# Altium PCB SDR_CAMERA.PcbDoc (part 1 of 3) (continued)
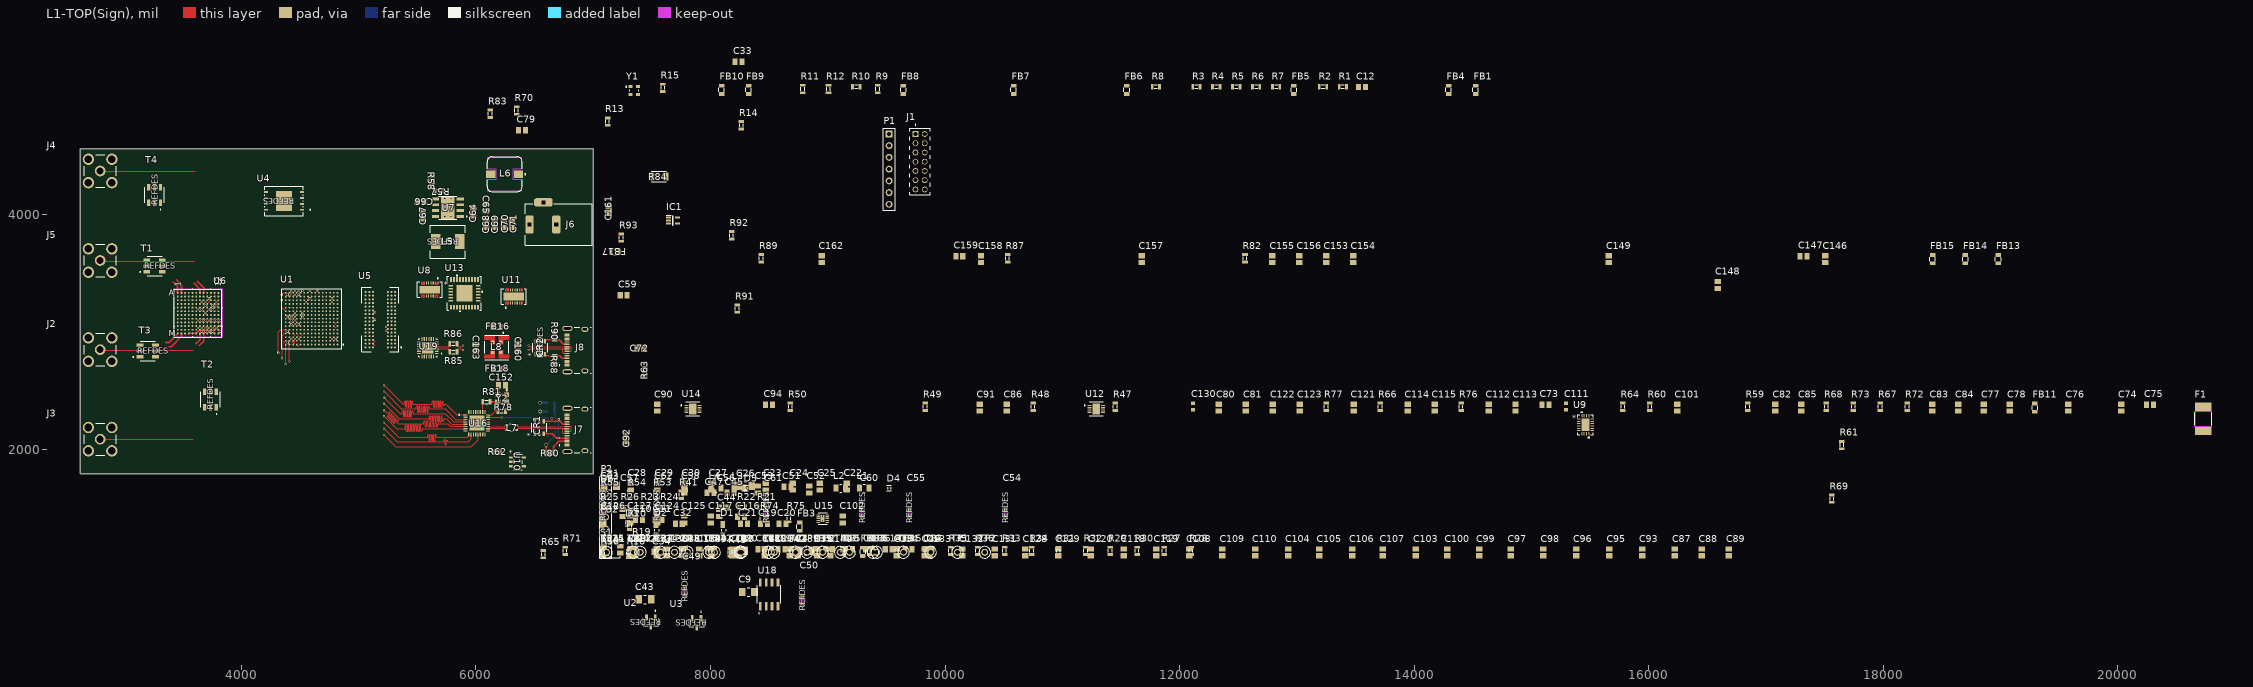
[diagram p0: L1-TOP(Sign) view]
## Classes and differential pairs
net class DDR_DQ[15..0]: DDR_DQ0 DDR_DQ1 DDR_DQ2 DDR_DQ3 DDR_DQ4 DDR_DQ5 DDR_DQ6 DDR_DQ7 DDR_DQ8 DDR_DQ9 DDR_DQ10 DDR_DQ11 DDR_DQ12 DDR_DQ13 DDR_DQ14 DDR_DQ15
net class DDR_A[14..0]: DDR_A0 DDR_A1 DDR_A2 DDR_A3 DDR_A4 DDR_A5 DDR_A6 DDR_A7 DDR_A8 DDR_A9 DDR_A10 DDR_A11 DDR_A12 DDR_A13 DDR_A14
component class ZYNQ: C1 C2 C3 C4 C5 C6 C7 C8 C9 C10 C11 C12 C13 C14 C15 C16 C17 C18 C19 C20 C21 C22 C23 C24 C25 C26 C27 C28 C29 C30 C31 C32 C33 C34 C35 C36 C37 C38 C39 C40 C41 C42 C43 D1 D2 FB1 FB2 FB3 FB4 FB5 FB6 FB7 FB8 FB9 FB10 J1 P1 P2 R1 R2 R3 R4 R5 R6 R7 R8 R9 R10 R11 R12 R13 R14 R15 R16 R17 R18 R19 R20 S1 TP1 TP2 TP3 TP4 TP5 TP6 TP7 TP8 TP9 TP10 TP11 TP12 TP13 TP14 TP15 U1 U2 U3 Y1
component class USB: C143 C144 C145 C146 C147 C148 C149 C150 C151 C152 C153 C154 C155 C156 C157 C158 C159 C160 C161 C162 C163 CR1 CR2 FB13 FB14 FB15 FB16 FB17 FB18 IC1 J7 J8 L7 L8 R78 R79 R80 R81 R82 R83 R84 R85 R86 R87 R88 R89 R90 R91 R92 R93 U16 U17 U18 U19 Y2
component class RF: C49 C50 C51 C52 C53 C54 C55 C56 C57 C58 C59 C60 C61 C62 C63 D3 D4 D5 D6 J2 J3 J4 J5 L1 L2 L3 L4 R56 T1 T2 T3 T4 TP16 TP17 TP18 TP19 TP20 TP21 TP22 TP23 TP24 U6
component class POWER: C64 C65 C66 C67 C68 C69 C70 C71 C72 C73 C74 C75 C76 C77 C78 C79 C80 C81 C82 C83 C84 C85 C86 C87 C88 C89 C90 C91 C92 C93 C94 C95 C96 C97 C98 C99 C100 C101 C102 C103 C104 C105 C106 C107 C108 C109 C110 C111 C112 C113 C114 C115 C116 C117 C118 C119 C120 C121 C122 C123 C124 C125 C126 C127 C128 C129 C130 C131 C132 C133 C134 C135 C136 C137 C138 C139 C140 C141 C142 F1 FB11 FB12 J6 L5 L6 R57 R58 R59 R60 R61 R62 R63 R64 R65 R66 R67 R68 R69 R70 R71 R72 R73 R74 R75 R76 R77 U7 U8 U9 U10 U11 U12 U13 U14 U15
component class DDR3: C44 C45 C46 C47 C48 R21 R22 R23 R24 R25 R26 R27 R28 R29 R30 R31 R32 R33 R34 R35 R36 R37 R38 R39 R40 R41 R42 R43 R44 R45 R46 R47 R48 R49 R50 R51 R52 R53 R54 R55 U4 U5
differential pair DDR_DQS1: +DDR_DQS1_P -DDR_DQS1_N
differential pair DDR_DQS0: +DDR_DQS0_P -DDR_DQS0_N
differential pair DDR_CLK: +DDR_CLK_P -DDR_CLK_N
differential pair D_UART: +D_UART_P -D_UART_N
differential pair USB_OTG: +USB_OTG_P -USB_OTG_N
differential pair USB_UART: +USB_UART_P -USB_UART_N
differential pair USB_OTG_90_OHM: +USB_OTG_90_OHM_P -USB_OTG_90_OHM_N

## Components (designator, comment, footprint, x,y, rotation, side; value= is the part's Value field where it differs from the comment)
C1 "Cap Pol3" C0805 9350,1150 r0 top value=47uF
C2 "Cap Pol3" C0805 9010,1150 r0 top value=4.7uF
C3 "Cap Pol3" C0805 9180,1150 r0 top value=0.47uF
C4 "C3216X5R1A107M160AC" CAPC3216X190N 8810,1135 r0 top
C5 "Cap Pol3" C0805 8005,1150 r0 top value=47uF
C6 "Cap Pol3" C0805 7320,1125 r90 top value=4.7uF
C7 "Cap Pol3" C0805 7540,1125 r90 top value=0.47uF
C8 "Cap Pol3" C0805 7760,1125 r90 top value=0.47uF
C9 "C3216X5R1A107M160AC" CAPC3216X190N 8322.83,783.46 r0 top
C10 "Cap Pol3" C0805 7390,1400 r0 top value=100nF
C11 "Cap Pol3" C0805 7555,1400 r0 top value=0.47uF
C12 "Cap Pol3" C0805 13555,5090 r0 top value=1uF
C13 "Cap Pol3" C0805 9860,1150 r0 top value=47uF
C14 "Cap Pol3" C0805 9520,1150 r0 top value=4.7uF
C15 "Cap Pol3" C0805 9690,1150 r0 top value=0.47uF
C16 "Cap Pol3" C0805 8435,1150 r0 top value=47uF
C17 "Cap Pol3" C0805 8605,1150 r0 top value=0.47uF
C18 "C3216X5R1A107M160AC" CAPC3216X190N 8240,1135 r0 top
C19 "Cap Pol3" C0805 8455,1365 r0 top value=47uF
C20 "Cap Pol3" C0805 8615,1365 r0 top value=0.47uF
C21 "Cap Pol3" C0805 8285,1365 r0 top value=4.7uF
C22 "Cap Pol3" C0805 9161.4,1681.1 r90 top value=10nF
C23 "Cap Pol3" C0805 8472.42,1681.1 r90 top value=4.7uF
C24 "Cap Pol3" C0805 8700.77,1681.1 r90 top value=0.47uF
C25 "Cap Pol3" C0805 8933.05,1681.1 r90 top value=100nF
C26 "C3216X5R1A107M160AC" CAPC3216X190N 8299.2,1688.97 r0 top
C27 "Cap Pol3" C0805 8007.86,1681.1 r90 top value=10nF
C28 "Cap Pol3" C0805 7318.88,1681.1 r90 top value=4.7uF
C29 "Cap Pol3" C0805 7547.23,1681.1 r90 top value=0.47uF
C30 "Cap Pol3" C0805 7779.51,1681.1 r90 top value=100nF
C31 "C3216X5R1A107M160AC" CAPC3216X190N 7145.65,1688.97 r0 top
C32 "Cap Pol3" C0805 7730,1365 r0 top value=47uF
C33 "Cap Pol3" C0805 8240.16,5307.09 r0 top value=100nF
C34 "Cap Pol3" C0805 7550,1125 r0 top value=100nF
C35 "Cap Pol3" C0805 8909.43,1122.05 r90 top value=47uF
C36 "Cap Pol3" C0805 7318.88,1122.05 r90 top value=4.7uF
C37 "Cap Pol3" C0805 7547.23,1122.05 r90 top value=0.47uF
C38 "Cap Pol3" C0805 7779.51,1122.05 r90 top value=0.47uF
C39 "Cap Pol3" C0805 8007.86,1122.05 r90 top value=0.47uF
C40 "Cap Pol3" C0805 8240.14,1122.05 r90 top value=0.47uF
C41 "Cap Pol3" C0805 8492.11,1145.67 r0 top value=100nF
C42 "Cap Pol3" C0805 8677.15,1122.05 r90 top value=10nF
C43 "C3216X5R1A107M160AC" CAPC3216X190N 7440.94,720.47 r0 top
C44 "Cap Pol3" C0805 8106.28,1500 r0 top value=100nF
C45 "Cap Pol3" C0805 8170,1630 r0 top value=10nF
C46 "Cap Pol3" C0805 9826.75,1122.05 r90 top value=10nF
C47 "Cap Pol3" C0805 8000,1630 r0 top value=10nF
C48 "Cap Pol3" C0805 7314.95,1122.05 r90 top value=4.7uF
C49 "C0603H180J5GACTU" CAPC17595_87N_KEM 7779.53,787.4 r90 top
C50 "C0603H180J5GACTU" CAPC17595_87N_KEM 8783.46,712.6 r90 top
C51 "Cap Pol3" C0805 8657.46,1681.1 r0 top value=1nF
C52 "Cap Pol3" C0805 8842.5,1657.48 r90 top value=1nF
C53 "Cap Pol3" C0805 8401.56,1657.48 r90 top value=10uF
C54 "C0603H180J5GACTU" CAPC17595_87N_KEM 10515.73,1456.69 r90 top
C55 "C0603H180J5GACTU" CAPC17595_87N_KEM 9696.83,1456.69 r90 top
C56 "Cap Pol3" C0805 8074.79,1456.69 r90 top value=1nF
C57 "Cap Pol3" C0805 7251.95,1456.69 r90 top value=1nF
C58 "Cap Pol3" C0805 7775.57,1657.48 r90 top value=10uF
C59 "Cap Pol3" C0805 7259.84,3314.96 r0 top value=1nF
C60 "C0603H180J5GACTU" CAPC17595_87N_KEM 9295.26,1456.69 r90 top
C61 "C0603H180J5GACTU" CAPC17595_87N_KEM 8476.36,1456.69 r90 top
C62 "C0603H180J5GACTU" CAPC17595_87N_KEM 7543.29,1472.44 r90 top
C63 "C0603H180J5GACTU" CAPC17595_87N_KEM 7082.66,1472.44 r90 top
C64 "Pol3" C0805 5976.38,4019.68 r270 top value=220nF
C65 "Cap Pol3" C0805 6082.68,4062.99 r270 top value=10uF
C66 "Pol3" C0805 5527.56,4110.24 r180 top value=1uF
C67 "Pol3" C0805 5547.24,3996.06 r270 top value=1uF
C68 "Pol3" C0805 6086.61,3921.26 r90 top value=22uF
C69 "Pol3" C0805 6161.42,3921.26 r90 top value=22uF
C70 "Pol3" C0805 6236.22,3921.26 r90 top value=22uF
C71 "Pol3" C0805 6307.09,3921.26 r90 top value=22uF
C72 "Cap Pol3" C0805 7401.57,2858.27 r0 top value=10uF
C73 "Cap Pol3" C0805 15120,2380 r0 top value=1nF
C74 "Cap Pol3" C0805 20030,2355 r90 top value=2.2uF
C75 "Cap Pol3" C0805 20275,2380 r0 top value=100nF
C76 "Cap Pol3" C0805 19580,2355 r90 top value=2.2uF
C77 "Cap Pol3" C0805 18860,2355 r90 top value=47uF
C78 "Cap Pol3" C0805 19080,2355 r90 top value=100nF
C79 "Cap Pol3" C0805 6393.7,4720.47 r0 top value=10uF
C80 "Cap Pol3" C0805 12335,2355 r90 top value=47uF
C81 "Cap Pol3" C0805 12565,2355 r90 top value=47uF
C82 "Cap Pol3" C0805 17080,2355 r90 top value=2.2uF
C83 "Cap Pol3" C0805 18420,2355 r90 top value=47uF
C84 "Cap Pol3" C0805 18640,2355 r90 top value=47uF
C85 "Cap Pol3" C0805 17300,2355 r90 top value=2.2uF
C86 "Pol3" C0805 10525,2355 r90 top value=4.7uF
C87 "Cap Pol3" C0805 16224.38,1122.05 r90 top value=10uF
C88 "Cap Pol3" C0805 16452.72,1122.05 r90 top value=10uF
C89 "Cap Pol3" C0805 16685.01,1122.05 r90 top value=100nF
C90 "Cap Pol3" C0805 7545,2355 r90 top value=100nF
C91 "Pol3" C0805 10295,2355 r90 top value=4.7uF
C92 "Cap Pol3" C0805 7279.53,2092.52 r90 top value=1uF
C93 "Cap Pol3" C0805 15944.85,1122.05 r90 top value=10nF
C94 "Pol3" C0805 8500,2380 r0 top value=1nF
C95 "Cap Pol3" C0805 15665.32,1122.05 r90 top value=10nF
C96 "Cap Pol3" C0805 15381.86,1122.05 r90 top value=1uF
C97 "Cap Pol3" C0805 14822.81,1122.05 r90 top value=1uF
C98 "Cap Pol3" C0805 15102.33,1122.05 r90 top value=10nF
C99 "Cap Pol3" C0805 14555.09,1122.05 r90 top value=10nF
C100 "Cap Pol3" C0805 14283.44,1122.05 r90 top value=1uF
C101 "Pol3" C0805 16245,2355 r90 top value=22uF
C102 "Cap Pol3" C0805 9125.97,1401.57 r90 top value=10nF
C103 "Pol3" C0805 14015.72,1122.05 r90 top value=4.7uF
C104 "Cap Pol3" C0805 12925.17,1122.05 r90 top value=10uF
C105 "Cap Pol3" C0805 13192.89,1122.05 r90 top value=10uF
C106 "Cap Pol3" C0805 13472.41,1122.05 r90 top value=100nF
C107 "Cap Pol3" C0805 13732.26,1122.05 r90 top value=100nF
C108 "Pol3" C0805 12082.65,1122.05 r90 top value=4.7uF
C109 "Cap Pol3" C0805 12366.12,1122.05 r90 top value=1uF
C110 "Cap Pol3" C0805 12645.64,1122.05 r90 top value=10nF
C111 "" 1608[0603] 15295,2365 r90 top value=1uF
C112 "Pol3" C0805 14635,2355 r90 top value=22uF
C113 "Pol3" C0805 14865,2355 r90 top value=22uF
C114 "Pol3" C0805 13945,2355 r90 top value=22uF
C115 "Pol3" C0805 14175,2355 r90 top value=22uF
C116 "Pol3" C0805 8259.83,1425.19 r0 top value=10uF
C117 "Cap Pol3" C0805 8003.92,1401.57 r90 top value=10nF
C118 "Pol3" C0805 11523.6,1122.05 r90 top value=1nF
C119 "Cap Pol3" C0805 11803.13,1122.05 r90 top value=10nF
C120 "Cap Pol3" C0805 11244.07,1122.05 r90 top value=1uF
C121 "Pol3" C0805 13485,2355 r90 top value=22uF
C122 "Pol3" C0805 12795,2355 r90 top value=22uF
C123 "Pol3" C0805 13025,2355 r90 top value=22uF
C124 "Pol3" C0805 7547.23,1401.57 r90 top value=10uF
C125 "Pol3" C0805 7775.57,1401.57 r90 top value=10uF
C126 "Cap Pol3" C0805 7086.6,1401.57 r90 top value=1uF
C127 "Cap Pol3" C0805 7314.95,1401.57 r90 top value=220nF
C128 "Cap Pol3" C0805 10685.02,1122.05 r90 top value=1uF
C129 "Cap Pol3" C0805 10964.55,1122.05 r90 top value=10nF
C130 "" 1608[0603] 12115,2365 r90 top value=10nF
C131 "Cap Pol3" C0805 10425.18,1122.05 r90 top value=10nF
C132 "Cap Pol3" C0805 10145.65,1122.05 r90 top value=1uF
C133 "Cap Pol3" C0805 9866.12,1122.05 r90 top value=10nF
C134 "Cap Pol3" C0805 9586.59,1122.05 r90 top value=1uF
C135 "Cap Pol3" C0805 7625.97,1122.05 r90 top value=10uF
C136 "Cap Pol3" C0805 7905.5,1122.05 r90 top value=100nF
C137 "Cap Pol3" C0805 8185.02,1122.05 r90 top value=10uF
C138 "Cap Pol3" C0805 8464.55,1122.05 r90 top value=100nF
C139 "Cap Pol3" C0805 8744.08,1122.05 r90 top value=1uF
C140 "Cap Pol3" C0805 9023.6,1122.05 r90 top value=10nF
C141 "Cap Pol3" C0805 7086.6,1122.05 r90 top value=10nF
C142 "Cap Pol3" C0805 7346.44,1122.05 r90 top value=1uF
C143 "Cap Pol3" C0805 5877.95,2283.46 r270 bottom value=1uF
C144 "Cap Pol3" C0805 6035.43,2283.46 r270 bottom value=1uF
C145 "Cap Pol3" C0805 5956.69,2283.46 r270 bottom value=1uF
C146 "Cap Pol3" C0805 17507.01,3621.22 r90 top value=100nF
C147 "Cap Pol3" C0805 17322.01,3646.22 r0 top value=2.2uF
C148 "Cap Pol3" C0805 16590.55,3401.57 r90 top value=100nF
C149 "Cap Pol3" C0805 15662.01,3621.22 r90 top value=100nF
C150 "Cap Pol3" C0805 6637.8,2397.64 r180 bottom value=47uF
C151 "Cap Pol3" C0805 6637.8,2322.83 r180 bottom value=100nF
C152 "Cap Pol3" C0805 6221.81,2547.5 r180 top value=100nF
C153 "Cap Pol3" C0805 13252.01,3621.22 r90 top value=4.7uF
C154 "Cap Pol3" C0805 13482.01,3621.22 r90 top value=100nF
C155 "Cap Pol3" C0805 12792.01,3621.22 r90 top value=100nF
C156 "Cap Pol3" C0805 13022.01,3621.22 r90 top value=4.7uF
C157 "Cap Pol3" C0805 11677.01,3621.22 r90 top value=10nF
C158 "Cap Pol3" C0805 10307.01,3621.22 r90 top value=47pf
C159 "Cap Pol3" C0805 10122.01,3646.22 r0 top value=47pf
C160 "Cap Pol3" C0805 6358.27,2868.11 r270 top value=100nF
C161 "Cap Pol3" C0805 7133.86,4039.37 r90 top value=100nF
C162 "Cap Pol3" C0805 8947.01,3621.22 r90 top value=100nF
C163 "Cap Pol3" C0805 6000,2866.14 r270 top value=100nF
CR1 "SRV05-4HTG-D" SOIC6_SOT23-6_CRA_LTF 6539.37,2185.04 r90 top
CR2 "SRV05-4HTG-D" SOIC6_SOT23-6_CRA_LTF 6547.24,2866.14 r90 top
D1 "LTST-S220TBKT" LED_LTST-S220TBKT 8105,1310 r90 top
D2 "LTST-S220TBKT" LED_LTST-S220TBKT 7535,1310 r90 top
D3 "ESD112B102ELE6327XTMA1" DIODFN100X60X43-2N 7291.32,1370.08 r0 top
D4 "ESD112B102ELE6327XTMA1" DIODFN100X60X43-2N 9523.6,1669.29 r0 top
D5 "ESD112B102ELE6327XTMA1" DIODFN100X60X43-2N 8303.13,1669.29 r0 top
D6 "ESD112B102ELE6327XTMA1" DIODFN100X60X43-2N 7078.73,1669.29 r0 top
F1 "0ZCG0260BF2B" 0ZCG_BEL 20730,2260 r90 top
FB1 "FERRITA" 0805R 14525,5030 r90 top
FB2 "FERRITA" 0805R 7080,1340 r90 top
FB3 "FERRITA" 0805R 8760,1305 r90 top
FB4 "FERRITA" 0805R 14295,5030 r90 top
FB5 "FERRITA" 0805R 12975,5030 r90 top
FB6 "FERRITA" 0805R 11550,5030 r90 top
FB7 "FERRITA" 0805R 10585,5030 r90 top
FB8 "FERRITA" 0805R 9645,5030 r90 top
FB9 "FERRITA" 0805R 8325,5030 r90 top
FB10 "FERRITA" 0805R 8095,5030 r90 top
FB11 "FERRITA" 0805R 19295,2320 r90 top
FB12 "FERRITA" 0805R 9299.19,1090.55 r90 top
FB13 "FERRITA" 0805R 18982.01,3586.22 r90 top
FB14 "FERRITA" 0805R 18702.01,3586.22 r90 top
FB15 "FERRITA" 0805R 18422.01,3586.22 r90 top
FB16 "FERRITA" 0805R 6141.73,3047.24 r0 top
FB17 "FERRITA" 0805R 7220.47,3685.04 r180 top
FB18 "FERRITA" 0805R 6145.67,2688.98 r0 top
IC1 "74LVC1G126GW,125" SOT65P212X110-5N 7680.35,3951.61 r0 top
J1 "MTMM-107-03-G-D-190" SAMTEC_MTMM-107-03-G-D-190 9787.4,4452.76 r270 top
J2 "RFPC-SMA27-F" GRADCONN_RFPC-SMA27-F 2795.28,2850.39 r270 top
J3 "RFPC-SMA27-F" GRADCONN_RFPC-SMA27-F 2795.28,2086.61 r270 top
J4 "RFPC-SMA27-F" GRADCONN_RFPC-SMA27-F 2795.28,4374.02 r270 top
J5 "RFPC-SMA27-F" GRADCONN_RFPC-SMA27-F 2795.28,3610.24 r270 top
J6 "694108301002" 694108301002 6706.69,3917.32 r90 top
J7 "UJ20-C-H-G-SMT-P16-TR-67" SAMESKY_UJ20-C-H-G-SMT-P16-TR-67 6903.54,2165.35 r90 top
J8 "UJ20-C-H-G-SMT-P16-TR-67" SAMESKY_UJ20-C-H-G-SMT-P16-TR-67 6903.54,2846.46 r90 top
L1 "B82498F3331J001" IND_B82498F3331J001 9311,1669.29 r0 top
L2 "B82498F3331J001" IND_B82498F3331J001 9110.22,1669.29 r0 top
L3 "B82498F3331J001" IND_B82498F3331J001 8244.08,1669.29 r0 top
L4 "B82498F3331J001" IND_B82498F3331J001 8047.23,1669.29 r0 top
L5 "SRP7020TA-8R2M" IND_SRP7020TA-8R2M_BRN 5759.84,3771.65 r180 top
L6 "4.7uH, 2.9A" WE-PD_7332R 6244.09,4346.46 r270 top
L7 "DLW21HN900SQ2L" IND_DLW21H_0805_MUR 6303.15,2185.04 r180 top
L8 "DLW5BSM801TQ2L" FIL_DLW5BSM801TQ2L 6177.17,2870.08 r0 top
P1 "Header 7" HDR1X7 9523.62,4689.76 r270 top
P2 "Header 7" HDR1X7 7106.28,1122.05 r90 top
R1 "Res1" 0603 13350,5070 r0 top value="470R, 5%"
R2 "Res1" 0603 13180,5070 r0 top value="4k7, 5%"
R3 "Res1" 0603 12100,5070 r0 top value=10K
R4 "Res1" 0603 12270,5070 r0 top value=10K
R5 "Res1" 0603 12440,5070 r0 top value=10K
R6 "Res1" 0603 12610,5070 r0 top value=10K
R7 "Res1" 0603 12780,5070 r0 top value=10K
R8 "Res1" 0603 11755,5070 r0 top value="4k7, 5%"
R9 "Res1" 0603 9450,5030 r90 top value="4K7, 5%"
R10 "Res1" 0603 9200,5070 r0 top value=0R
R11 "Res1" 0603 8810,5030 r90 top value="20K, 5%"
R12 "Res1" 0603 9030,5030 r90 top value="4K7, 5%"
R13 "Res1" 0603 7145.67,4751.97 r90 top value="20K, 5%"
R14 "Res1" 0603 8287.4,4720.47 r90 top value="10K, 5%"
R15 "Res1" 0603 7618.11,5039.37 r90 top value=39R
R16 "Res1" 0603 7325,1065 r90 top value="20K, 5%"
R17 "Res1" 0603 7105,1065 r90 top value="20K, 5%"
R18 "Res1" 0603 7105,1365 r90 top value="20K, 5%"
R19 "Res1" 0603 7374,1145.67 r90 top value="20K, 5%"
R20 "Res1" 0603 7335,1305 r90 top value="470R, 5%"
R21 "Res1" 0603 8393.68,1484.25 r0 top value=240R
R22 "Res1" 0603 8224.39,1484.25 r0 top value="20k, 5%"
R23 "Res1" 0603 7397.62,1484.25 r0 top value="20k, 5%"
R24 "Res1" 0603 7566.91,1484.25 r0 top value="20k, 5%"
R25 "Res1" 0603 7055.1,1484.25 r0 top value="20k, 5%"
R26 "Res1" 0603 7228.33,1484.25 r0 top value="20k, 5%"
R27 "Res1" 0603 11893.68,1090.55 r90 top value=120R
R28 "Res1" 0603 12122.02,1090.55 r90 top value=120R
R29 "Res1" 0603 11433.05,1090.55 r90 top value=120R
R30 "Res1" 0603 11661.39,1090.55 r90 top value=120R
R31 "Res1" 0603 10992.1,1090.55 r90 top value=120R
R32 "Res1" 0603 11224.39,1090.55 r90 top value=120R
R33 "Res1" 0603 10531.48,1090.55 r90 top value=120R
R34 "Res1" 0603 10763.76,1090.55 r90 top value=120R
R35 "Res1" 0603 10070.85,1090.55 r90 top value=120R
R36 "Res1" 0603 10303.13,1090.55 r90 top value=120R
R37 "Res1" 0603 9381.87,1090.55 r90 top value=120R
R38 "Res1" 0603 9614.15,1090.55 r90 top value=120R
R39 "Res1" 0603 8921.24,1090.55 r90 top value=120R
R40 "Res1" 0603 9153.52,1090.55 r90 top value=120R
R41 "Res1" 0603 7775,1570 r90 top value=240R
R42 "Res1" 0603 8484.24,1090.55 r90 top value=120R
R43 "Res1" 0603 8712.58,1090.55 r90 top value=120R
R44 "Res1" 0603 8023.61,1090.55 r90 top value=120R
R45 "Res1" 0603 8192.91,1078.74 r90 top value=120R
R46 "Res1" 0603 7795.26,1090.55 r90 top value=120R
R47 "Res1" 0603 11475,2320 r90 top value=120R
R48 "Res1" 0603 10775,2320 r90 top value=120R
R49 "Res1" 0603 9855,2320 r90 top value=120R
R50 "Res1" 0603 8705,2320 r90 top value=120R
R51 "Res1" 0603 7562.98,1090.55 r90 top value=120R
R52 "Res1" 0603 7102.35,1090.55 r90 top value=80k6
R53 "Res1" 0603 7555,1570 r90 top value=1K
R54 "Res1" 0603 7335,1570 r90 top value=240R
R55 "Res1" 0603 7105,1570 r90 top value=240R
R56 "Res1" 0603 7105,1065 r90 top value=14k3
R57 "Res1" 0603 5728.35,4224.41 r180 top value=25k
R58 "Res1" 0603 5602.36,4334.65 r270 top value=100k
R59 "Res1" 0603 16870,2320 r90 top value=100k
R60 "Res1" 0603 16035,2320 r90 top value=20k
R61 "Res1" 0603 17671.77,1993.23 r90 top value=170R
R62 "Res1" 0603 6133.86,1956.69 r0 top value="24k9 5%"
R63 "Res1" 0603 7464.57,2622.05 r90 top value=27k4
R64 "Res1" 0603 15805,2320 r90 top value=7k
R65 "Res1" 0603 6598.43,1062.99 r90 top value=100R
R66 "Res1" 0603 13735,2320 r90 top value=25k
R67 "Res1" 0603 18000,2320 r90 top value=470R
R68 "Res1" 0603 17540,2320 r90 top value=8.06k
R69 "Res1" 0603 17587.44,1536.54 r90 top value=470R
R70 "Res1" 0603 6370.08,4846.46 r90 top value=27k4
R71 "Res1" 0603 6783.46,1090.55 r90 top value=100R
R72 "Res1" 0603 18230,2320 r90 top value=470R
R73 "Res1" 0603 17770,2320 r90 top value=8.06k
R74 "Res1" 0603 8464.55,1370.08 r90 top value="10k 1%"
R75 "Res1" 0603 8692.9,1370.08 r90 top value="10k 1%"
R76 "Res1" 0603 14425,2320 r90 top value=120k
R77 "Res1" 0603 13275,2320 r90 top value="56K 1%"
R78 "Res1" 0603 6177.17,2303.15 r0 top value=8.06k
R79 "Res1" 0603 6145.67,2338.58 r270 bottom value=200k
R80 "Res1" 0603 6673.23,1996.06 r180 top value=900K
R81 "Res1" 0603 6132.62,2428.15 r180 top value=39R
R82 "Res1" 0603 12582.01,3586.22 r90 top value=1K
R83 "Res1" 0603 6145.67,4818.9 r90 top value=22k1
R84 "0ZCJ0050AF2E" RESC3216X125N 7559.06,4326.77 r0 top
R85 "Res1" 0603 5850.39,2854.33 r180 top value=39R
R86 "Res1" 0603 5850.39,2925.2 r180 top value=39R
R87 "Res1" 0603 10557.01,3586.22 r90 top value=47k5
R88 "Res1" 0603 6696.85,2724.41 r90 top value=5.1k
R89 "Res1" 0603 8457.01,3586.22 r90 top value=10k
R90 "Res1" 0603 6649.61,3007.87 r270 top value=5.1k
R91 "Res1" 0603 8251.22,3156.34 r90 top value=10k
R92 "Res1" 0603 8203.98,3782.32 r90 top value=10k
R93 "Res1" 0603 7263.03,3762.64 r90 top value=39R
S1 "PTS840_GM_SMTR_LFS" SW_PTS840GMSMTRLFS 7161.4,1145.67 r0 top
T1 "TCM1-63AX+" DB1627_MNC 3259.84,3562.99 r0 top
T2 "TCM1-63AX+" DB1627_MNC 3736.22,2425.2 r90 top
T3 "TCM1-63AX+" DB1627_MNC 3200.79,2838.58 r0 top
T4 "TCM1-63AX+" DB1627_MNC 3259.84,4169.29 r90 top
TP1 "5000" KEYSTONE_5000 10106.28,1122.05 r0 top
TP2 "5000" KEYSTONE_5000 10338.56,1122.05 r0 top
TP3 "5000" KEYSTONE_5000 9645.65,1122.05 r0 top
TP4 "5000" KEYSTONE_5000 9877.93,1122.05 r0 top
TP5 "5000" KEYSTONE_5000 9185.02,1122.05 r0 top
TP6 "5000" KEYSTONE_5000 9417.3,1122.05 r0 top
TP7 "5000" KEYSTONE_5000 8724.39,1122.05 r0 top
TP8 "5000" KEYSTONE_5000 8956.67,1122.05 r0 top
TP9 "5000" KEYSTONE_5000 8263.76,1122.05 r0 top
TP10 "5000" KEYSTONE_5000 8496.05,1122.05 r0 top
TP11 "5000" KEYSTONE_5000 7803.13,1122.05 r0 top
TP12 "5000" KEYSTONE_5000 8035.42,1122.05 r0 top
TP13 "5000" KEYSTONE_5000 7342.51,1122.05 r0 top
TP14 "5000" KEYSTONE_5000 7574.79,1122.05 r0 top
TP15 "5000" KEYSTONE_5000 7114.16,1122.05 r0 top
TP16 "5000" KEYSTONE_5000 9385.81,1122.05 r90 top
TP17 "5000" KEYSTONE_5000 9106.28,1122.05 r90 top
TP18 "5000" KEYSTONE_5000 8822.82,1122.05 r90 top
TP19 "5000" KEYSTONE_5000 8543.29,1122.05 r90 top
TP20 "5000" KEYSTONE_5000 8251.95,1122.05 r90 top
TP21 "5000" KEYSTONE_5000 7984.24,1122.05 r0 top
TP22 "5000" KEYSTONE_5000 7692.9,1122.05 r90 top
TP23 "5000" KEYSTONE_5000 7401.56,1122.05 r90 top
TP24 "5000" KEYSTONE_5000 7114.16,1122.05 r90 top